# Altium PCB PCB22.PcbDoc (part 7 of 16)
Units mm, origin at the board's own origin, x right, y up, seen from the top; angles counter-clockwise.
Board outline 233.7 x 110.51 mm, 4 copper layers (Top Layer, Layer 1, Layer 2, Bottom Layer), stack 0.603 mm thick; 1249 components, 1355 nets, 4549 pads, 1315 vias.
Unrouted connection lines stored in the file: 1569.
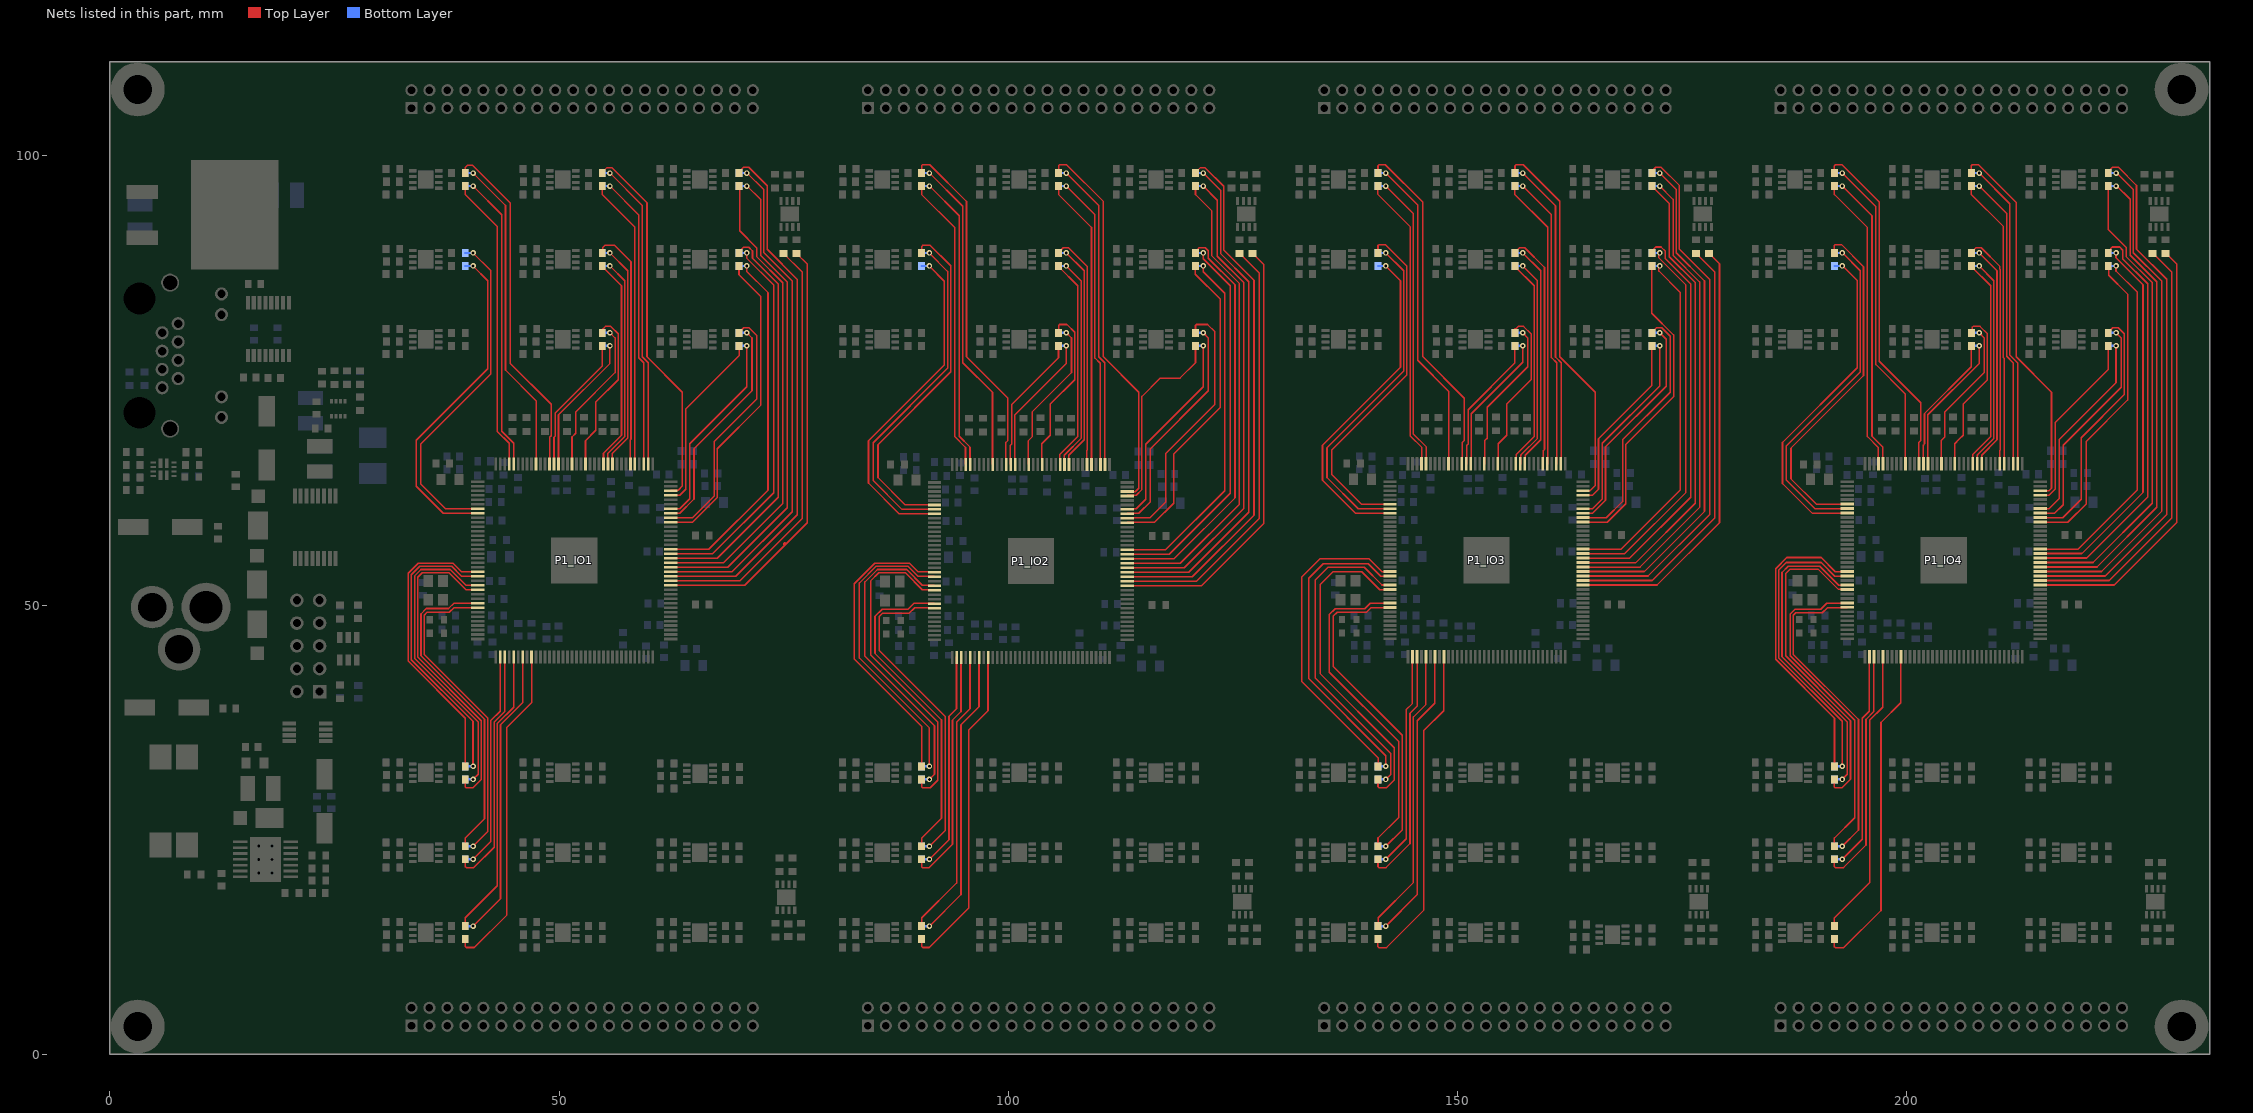
[diagram p9: the nets of this part, all layers, seen from the top]

## Via types
v1: diameter 0.61, hole 0.305, Top Layer to Bottom Layer, 1315 vias

## Nets (pads, with @x,y where several pads share a name; then routed paths per layer and width w, separated by ;. In a path a pad name is that pad's centre, name@x,y a point inside that pad or via, vN(x,y) a via of type N, cw(c..) or ccw(c..) an arc to the next point about the centre after c; other vN are vias at no path point) (continued)
GPIO_5_IO2: P1_IO2.6 R28_U_VoltageAmplifier32.1 | length 39.5
  Top Layer w0.178: R28_U_VoltageAmplifier32.1@90.378,89.143 90.378,89.967 90.482,90.072 91.289,90.072 93.591,87.769 93.591,75.975 85.487,67.87 85.487,64.215 88.539,61.163 P1_IO2.6@91.772,61.163
GPIO_5_IO3: P1_IO3.6 R28_U_VoltageAmplifier33.1 | length 39.6
  Top Layer w0.178: R28_U_VoltageAmplifier33.1@141.15,89.209 141.15,90.033 141.254,90.138 141.954,90.138 144.363,87.729 144.363,75.66 136.019,67.316 136.019,64.521 139.311,61.229 P1_IO3.6@142.544,61.229
GPIO_5_IO4: P1_IO4.6 R28_U_VoltageAmplifier34.1 | length 39.5
  Top Layer w0.178: R28_U_VoltageAmplifier34.1@191.95,89.209 191.95,90.033 192.054,90.138 192.729,90.138 195.188,87.678 195.188,75.561 187.118,67.49 187.118,64.055 189.919,61.255 P1_IO4.6@193.369,61.255
GPIO_6_IO1: P1_IO1.7 R26_U_VoltageAmplifier41.1 | length 38.2
  Top Layer w0.178: v1(40.414,89.209) 42.407,87.215 42.407,75.775 34.584,67.952 34.584,63.491 37.346,60.729 P1_IO1.7@40.944,60.729
  Bottom Layer w0.254: R26_U_VoltageAmplifier41.1@39.55,89.209 v1(40.414,89.209)
GPIO_6_IO2: P1_IO2.7 R26_U_VoltageAmplifier42.1 | length 38.5
  Top Layer w0.178: v1@91.242,89.143 93.235,87.149 93.235,76.372 84.955,68.092 84.955,63.882 88.174,60.663 P1_IO2.7@91.772,60.663
  Bottom Layer w0.254: R26_U_VoltageAmplifier42.1@90.35,89.209 v1(91.214,89.209)
GPIO_6_IO3: P1_IO3.7 R26_U_VoltageAmplifier43.1 | length 38.7
  Top Layer w0.178: v1(142.014,89.209) 144.007,87.215 144.007,76.065 135.472,67.529 135.472,64.203 138.946,60.729 P1_IO3.7@142.544,60.729
  Bottom Layer w0.254: R26_U_VoltageAmplifier43.1@141.15,89.209 v1(142.014,89.209)
GPIO_6_IO4: P1_IO4.7 R26_U_VoltageAmplifier44.1 | length 38.5
  Top Layer w0.178: v1@192.839,89.235 194.833,87.241 194.833,75.961 186.601,67.728 186.601,63.925 189.771,60.755 P1_IO4.7@193.369,60.755
  Bottom Layer w0.254: R26_U_VoltageAmplifier44.1@191.95,89.209 v1(192.814,89.209)
GPIO_7_IO1: P1_IO1.8 R28_U_VoltageAmplifier41.1 | length 37.4
  Top Layer w0.178: v1(40.414,87.762) 42.052,86.123 42.052,76.305 34.104,68.357 34.104,63.233 37.108,60.229 P1_IO1.8@40.944,60.229
  Bottom Layer w0.254: R28_U_VoltageAmplifier41.1@39.55,87.762 v1(40.414,87.762)
GPIO_7_IO2: P1_IO2.8 R28_U_VoltageAmplifier42.1 | length 37.9
  Top Layer w0.178: v1@91.242,87.696 92.88,86.057 92.88,76.74 84.438,68.298 84.438,63.59 87.865,60.163 P1_IO2.8@91.772,60.163
  Bottom Layer w0.254: R28_U_VoltageAmplifier42.1@90.35,87.762 v1(91.214,87.762)
GPIO_7_IO3: P1_IO3.8 R28_U_VoltageAmplifier43.1 | length 38.1
  Top Layer w0.178: v1(142.014,87.762) 143.652,86.123 143.652,76.5 134.97,67.818 134.97,63.896 138.637,60.229 P1_IO3.8@142.544,60.229
  Bottom Layer w0.254: R28_U_VoltageAmplifier43.1@141.15,87.762 v1(142.014,87.762)
GPIO_7_IO4: P1_IO4.8 R28_U_VoltageAmplifier44.1 | length 37.8
  Top Layer w0.178: v1@192.839,87.787 194.477,86.149 194.477,76.433 186.166,68.121 186.166,63.551 189.462,60.255 P1_IO4.8@193.369,60.255
  Bottom Layer w0.254: R28_U_VoltageAmplifier44.1@191.95,87.762 v1(192.814,87.762)
GPIO_8_IO1: P1_IO1.141 R26_U_VoltageAmplifier51.1 | length 33
  Top Layer w0.178: R26_U_VoltageAmplifier51.1@39.538,96.64 39.538,95.723 43.119,92.143 43.119,69.342 44.432,68.029 P1_IO1.141@44.432,65.717
  Top Layer w0.254: R26_U_VoltageAmplifier51.1@39.538,96.64 R26_U_VoltageAmplifier51.1@39.55,96.652
GPIO_8_IO2: P1_IO2.141 R26_U_VoltageAmplifier52.1 | length 33
  Top Layer w0.178: R26_U_VoltageAmplifier52.1@90.338,96.64 90.338,95.723 94.022,92.04 94.022,68.768 95.232,67.557 P1_IO2.141@95.232,65.717
  Top Layer w0.254: R26_U_VoltageAmplifier52.1@90.338,96.64 R26_U_VoltageAmplifier52.1@90.35,96.652
GPIO_8_IO3: P1_IO3.141 R26_U_VoltageAmplifier53.1 | length 32.9
  Top Layer w0.178: R26_U_VoltageAmplifier53.1@141.138,96.64 141.138,95.723 144.719,92.143 144.719,68.871 146.032,67.557 P1_IO3.141@146.032,65.717
GPIO_8_IO4: P1_IO4.141 R26_U_VoltageAmplifier54.1 | length 33
  Top Layer w0.178: R26_U_VoltageAmplifier54.1@191.95,96.652 191.95,95.712 195.618,92.044 195.618,68.772 196.832,67.557 P1_IO4.141@196.832,65.717
GPIO_9_IO1: P1_IO1.132 R28_U_VoltageAmplifier51.1 | length 38.5
  Top Layer w0.178: R28_U_VoltageAmplifier51.1@39.55,98.099 39.55,98.715 39.783,98.948 40.373,98.948 44.541,94.78 44.541,76.93 49.11,72.361 49.11,68.858 48.932,68.68 P1_IO1.132@48.932,65.717
GPIO_9_IO2: P1_IO2.132 R28_U_VoltageAmplifier52.1 | length 38.8
  Top Layer w0.178: R28_U_VoltageAmplifier52.1@90.35,98.099 90.35,98.923 90.454,99.028 91.243,99.028 95.341,94.93 95.341,77.644 99.95,73.035 99.95,68.845 99.95,68.329 99.732,68.111 P1_IO2.132@99.732,65.717
GPIO_9_IO3: P1_IO3.132 R28_U_VoltageAmplifier53.1 | length 38.7
  Top Layer w0.178: R28_U_VoltageAmplifier53.1@141.15,98.099 141.15,98.923 141.254,99.028 141.967,99.028 146.141,94.853 146.141,77.644 150.75,73.035 150.75,68.845 150.75,68.329 150.532,68.111 P1_IO3.132@150.532,65.717
GPIO_9_IO4: P1_IO4.132 R28_U_VoltageAmplifier54.1 | length 38.7
  Top Layer w0.178: R28_U_VoltageAmplifier54.1@191.95,98.099 191.95,98.923 192.054,99.028 192.788,99.028 196.941,94.874 196.941,77.14 201.55,72.53 201.55,68.845 201.55,68.329 201.332,68.111 P1_IO4.132@201.332,65.717
GPIO_10_IO1: P1_IO1.135 R26_U_VoltageAmplifier61.1 | length 36.2
  Top Layer w0.178: v1(40.414,98.099) 44.025,94.488 44.025,76.179 47.432,72.771 P1_IO1.135@47.432,65.717
  Bottom Layer w0.254: R26_U_VoltageAmplifier61.1@39.55,98.099 v1(40.414,98.099)
GPIO_10_IO2: P1_IO2.135 R26_U_VoltageAmplifier62.1 | length 36.2
  Top Layer w0.178: v1(91.214,98.099) 94.92,94.393 94.92,76.999 98.232,73.687 P1_IO2.135@98.232,65.717
  Bottom Layer w0.254: R26_U_VoltageAmplifier62.1@90.35,98.099 v1(91.214,98.099)
GPIO_10_IO3: P1_IO3.135 R26_U_VoltageAmplifier63.1 | length 36.2
  Top Layer w0.178: v1(142.014,98.099) 145.564,94.549 145.564,77.262 149.032,73.794 P1_IO3.135@149.032,65.717
  Bottom Layer w0.254: R26_U_VoltageAmplifier63.1@141.15,98.099 v1(142.014,98.099)
GPIO_10_IO4: P1_IO4.135 R26_U_VoltageAmplifier64.1 | length 36.2
  Top Layer w0.178: v1(192.814,98.099) 196.565,94.348 196.565,76.783 199.832,73.516 P1_IO4.135@199.832,65.717
  Bottom Layer w0.254: R26_U_VoltageAmplifier64.1@191.95,98.099 v1(192.814,98.099)
GPIO_11_IO1: P1_IO1.140 R28_U_VoltageAmplifier61.1 | length 33.7
  Top Layer w0.178: v1(40.414,96.652) 43.599,93.467 43.599,69.365 44.932,68.032 P1_IO1.140@44.932,65.717
  Bottom Layer w0.254: R28_U_VoltageAmplifier61.1@39.55,96.652 v1(40.414,96.652)
GPIO_11_IO2: P1_IO2.140 R28_U_VoltageAmplifier62.1 | length 33.7
  Top Layer w0.178: v1(91.214,96.652) 94.521,93.344 94.521,68.811 95.732,67.6 P1_IO2.140@95.732,65.717
  Bottom Layer w0.254: R28_U_VoltageAmplifier62.1@90.35,96.652 v1(91.214,96.652)
GPIO_11_IO3: P1_IO3.140 R28_U_VoltageAmplifier63.1 | length 33.7
  Top Layer w0.178: v1(142.014,96.652) 145.074,93.591 145.074,69.058 146.532,67.6 P1_IO3.140@146.532,65.717
  Bottom Layer w0.254: R28_U_VoltageAmplifier63.1@141.15,96.652 v1(142.014,96.652)
GPIO_11_IO4: P1_IO4.140 R28_U_VoltageAmplifier64.1 | length 33.7
  Top Layer w0.178: v1(192.814,96.652) 196.126,93.339 196.126,68.806 197.332,67.6 P1_IO4.140@197.332,65.717
  Bottom Layer w0.254: R28_U_VoltageAmplifier64.1@191.95,96.652 v1(192.814,96.652)
GPIO_12_IO1: P1_IO1.131 R26_U_VoltageAmplifier71.1 | length 15.4
  Top Layer w0.178: P1_IO1.131@49.432,65.717 49.432,68.677 49.576,68.822 49.576,71.397 54.778,76.599 R26_U_VoltageAmplifier71.1@54.778,78.86
GPIO_12_IO2: P1_IO2.131 R26_U_VoltageAmplifier72.1 | length 15.4
  Top Layer w0.178: P1_IO2.131@100.232,65.717 100.232,67.805 100.376,67.95 100.376,72.335 105.578,77.537 R26_U_VoltageAmplifier72.1@105.578,78.86
  Top Layer w0.254: R26_U_VoltageAmplifier72.1@105.578,78.86 R26_U_VoltageAmplifier72.1@105.59,78.872
GPIO_12_IO3: P1_IO3.131 R26_U_VoltageAmplifier73.1 | length 15.4
  Top Layer w0.178: P1_IO3.131@151.032,65.717 151.032,67.805 151.176,67.95 151.176,71.75 156.378,76.952 R26_U_VoltageAmplifier73.1@156.378,78.86
  Top Layer w0.254: R26_U_VoltageAmplifier73.1@156.378,78.86 R26_U_VoltageAmplifier73.1@156.39,78.872
GPIO_12_IO4: P1_IO4.131 R26_U_VoltageAmplifier74.1 | length 15.4
  Top Layer w0.178: P1_IO4.131@201.832,65.717 201.832,67.805 201.976,67.95 201.976,71.33 207.178,76.532 R26_U_VoltageAmplifier74.1@207.178,78.86
GPIO_13_IO1: P1_IO1.124 R28_U_VoltageAmplifier71.1 | length 18.2
  Top Layer w0.178: P1_IO1.124@52.932,65.717 52.932,68.317 54.088,69.473 54.088,72.615 56.581,75.107 56.581,80.201 55.751,81.031 55.164,81.031 R28_U_VoltageAmplifier71.1@54.854,80.721
GPIO_13_IO2: P1_IO2.124 R28_U_VoltageAmplifier72.1 | length 19.1
  Top Layer w0.178: P1_IO2.124@103.732,65.717 103.732,67.984 104.673,68.925 104.673,72.4 107.381,75.107 107.381,80.388 106.521,81.248 105.694,81.248 ; R28_U_VoltageAmplifier72.1@105.59,80.319 105.59,81.143 105.648,81.201
GPIO_13_IO3: P1_IO3.124 R28_U_VoltageAmplifier73.1 | length 18.6
  Top Layer w0.178: P1_IO3.124@154.532,65.717 154.532,67.984 155.473,68.925 155.473,72.4 158.181,75.107 158.181,80.201 157.351,81.031 156.764,81.031 R28_U_VoltageAmplifier73.1@156.454,80.721
  Top Layer w0.254: R28_U_VoltageAmplifier73.1@156.402,80.721 R28_U_VoltageAmplifier73.1@156.402,80.331 ; R28_U_VoltageAmplifier73.1@156.402,80.331 R28_U_VoltageAmplifier73.1@156.39,80.319 R28_U_VoltageAmplifier73.1@156.402,80.331
GPIO_13_IO4: P1_IO4.124 R28_U_VoltageAmplifier74.1 | length 22
  Top Layer w0.178: P1_IO4.124@205.332,65.717 205.332,67.984 205.88,68.532 206.273,68.925 206.273,72.4 208.981,75.107 208.981,80.201 208.151,81.031 207.383,81.031 207.279,80.926 207.279,80.509 R28_U_VoltageAmplifier74.1@207.042,80.509 ; P1_IO4.124@205.357,65.743 205.357,68.012 205.879,68.533
  Top Layer w0.254: R28_U_VoltageAmplifier74.1@207.042,80.509 207.042,80.467 R28_U_VoltageAmplifier74.1@207.19,80.319
GPIO_14_IO1: P1_IO1.127 R26_U_VoltageAmplifier81.1 | length 17.7
  Top Layer w0.178: P1_IO1.127@51.432,65.717 51.432,68.716 51.84,69.125 51.84,71.517 56.225,75.901 56.225,79.748 v1(55.654,80.319)
  Bottom Layer w0.254: R26_U_VoltageAmplifier81.1@54.79,80.319 v1(55.654,80.319)
GPIO_14_IO2: P1_IO2.127 R26_U_VoltageAmplifier82.1 | length 17.7
  Top Layer w0.178: P1_IO2.127@102.232,65.717 102.232,68.323 102.64,68.731 102.64,71.517 107.025,75.901 107.025,79.748 v1(106.454,80.319)
  Bottom Layer w0.254: R26_U_VoltageAmplifier82.1@105.59,80.319 v1(106.454,80.319)
GPIO_14_IO3: P1_IO3.127 R26_U_VoltageAmplifier83.1 | length 17.7
  Top Layer w0.178: P1_IO3.127@153.032,65.717 153.032,68.323 153.305,68.596 153.305,72.03 157.825,76.55 157.825,79.748 v1(157.254,80.319)
  Bottom Layer w0.254: R26_U_VoltageAmplifier83.1@156.39,80.319 v1(157.254,80.319)
GPIO_14_IO4: P1_IO4.127 R26_U_VoltageAmplifier84.1 | length 17.7
  Top Layer w0.178: P1_IO4.127@203.832,65.717 203.832,68.323 204.24,68.731 204.24,71.517 208.625,75.901 208.625,79.748 v1(208.054,80.319)
  Bottom Layer w0.254: R26_U_VoltageAmplifier84.1@207.19,80.319 v1(208.054,80.319)
GPIO_15_IO1: P1_IO1.130 R28_U_VoltageAmplifier81.1 | length 16.4
  Top Layer w0.178: P1_IO1.130@49.932,65.717 49.932,71.183 55.654,76.905 v1(55.654,78.872)
  Bottom Layer w0.254: R28_U_VoltageAmplifier81.1@54.79,78.872 v1(55.654,78.872)
GPIO_15_IO2: P1_IO2.130 R28_U_VoltageAmplifier82.1 | length 16.4
  Top Layer w0.178: P1_IO2.130@100.732,65.717 100.732,71.183 106.454,76.905 v1(106.454,78.872)
  Bottom Layer w0.254: R28_U_VoltageAmplifier82.1@105.59,78.872 v1(106.454,78.872)
GPIO_15_IO3: P1_IO3.130 R28_U_VoltageAmplifier83.1 | length 16.4
  Top Layer w0.178: P1_IO3.130@151.532,65.717 151.532,71.313 157.254,77.034 v1(157.254,78.872)
  Bottom Layer w0.254: R28_U_VoltageAmplifier83.1@156.39,78.872 v1(157.254,78.872)
GPIO_15_IO4: P1_IO4.130 R28_U_VoltageAmplifier84.1 | length 18.1
  Top Layer w0.178: P1_IO4.130@202.332,65.717 202.332,71.183 208.054,76.905 v1(208.054,78.872) 208.054,77.117
  Bottom Layer w0.254: R28_U_VoltageAmplifier84.1@207.19,78.872 v1(208.054,78.872)
GPIO_16_IO1: P1_IO1.120 R26_U_VoltageAmplifier91.1 | length 23.8
  Top Layer w0.178: R26_U_VoltageAmplifier91.1@54.79,87.762 54.79,87.698 56.936,85.552 56.936,68.912 54.932,66.908 P1_IO1.120@54.932,65.717
GPIO_16_IO2: P1_IO2.120 R26_U_VoltageAmplifier92.1 | length 23.8
  Top Layer w0.178: R26_U_VoltageAmplifier92.1@105.59,87.762 105.59,87.698 107.736,85.552 107.736,68.784 105.732,66.78 P1_IO2.120@105.732,65.717
  Top Layer w0.254: R26_U_VoltageAmplifier92.1@105.578,87.75 R26_U_VoltageAmplifier92.1@105.59,87.762
GPIO_16_IO3: P1_IO3.120 R26_U_VoltageAmplifier93.1 | length 23.8
  Top Layer w0.178: R26_U_VoltageAmplifier93.1@156.378,87.75 156.378,87.71 158.536,85.552 158.536,68.784 156.532,66.78 P1_IO3.120@156.532,65.717
GPIO_16_IO4: P1_IO4.120 R26_U_VoltageAmplifier94.1 | length 23.8
  Top Layer w0.178: R26_U_VoltageAmplifier94.1@207.178,87.75 207.178,87.71 209.336,85.552 209.336,68.784 207.332,66.78 P1_IO4.120@207.332,65.717
GPIO_17_IO1: P1_IO1.114 R28_U_VoltageAmplifier91.1 | length 27.2
  Top Layer w0.178: R28_U_VoltageAmplifier91.1@54.79,89.209 54.857,89.276 54.857,89.816 55.098,90.058 56.166,90.058 58.003,88.221 58.003,68.47 57.932,68.399 P1_IO1.114@57.932,65.717
GPIO_17_IO2: P1_IO2.114 R28_U_VoltageAmplifier92.1 | length 26.4
  Top Layer w0.178: R28_U_VoltageAmplifier92.1@105.59,89.209 105.59,89.273 106.098,89.781 106.69,89.781 108.803,87.668 108.803,67.265 108.732,67.194 P1_IO2.114@108.732,65.717
  Top Layer w0.254: R28_U_VoltageAmplifier92.1@105.59,89.209 R28_U_VoltageAmplifier92.1@105.602,89.221
GPIO_17_IO3: P1_IO3.114 R28_U_VoltageAmplifier93.1 | length 26.4
  Top Layer w0.178: R28_U_VoltageAmplifier93.1@156.39,89.273 156.898,89.781 157.49,89.781 159.676,87.595 159.676,67.338 159.532,67.194 P1_IO3.114@159.532,65.717
  Top Layer w0.254: R28_U_VoltageAmplifier93.1@156.39,89.209 R28_U_VoltageAmplifier93.1@156.402,89.221
GPIO_17_IO4: P1_IO4.114 R28_U_VoltageAmplifier94.1 | length 26.4
  Top Layer w0.178: R28_U_VoltageAmplifier94.1@207.19,89.209 207.19,89.273 207.698,89.781 208.29,89.781 210.372,87.699 210.372,87.394 210.403,87.363 210.403,67.265 210.332,67.194 P1_IO4.114@210.332,65.717
  Top Layer w0.254: R28_U_VoltageAmplifier94.1@207.19,89.209 207.202,89.221 R28_U_VoltageAmplifier94.1@207.19,89.209
GPIO_18_IO1: P1_IO1.118 R26_U_VoltageAmplifier101.1 | length 25.9
  Top Layer w0.178: v1(55.654,89.209) 57.647,87.215 57.647,68.617 55.932,66.902 P1_IO1.118@55.932,65.717
  Bottom Layer w0.254: R26_U_VoltageAmplifier101.1@54.79,89.209 v1(55.654,89.209)
GPIO_18_IO2: P1_IO2.118 R26_U_VoltageAmplifier102.1 | length 25.9
  Top Layer w0.178: v1(106.454,89.209) 108.447,87.215 108.447,68.418 106.732,66.702 P1_IO2.118@106.732,65.717
  Bottom Layer w0.254: R26_U_VoltageAmplifier102.1@105.59,89.209 v1(106.454,89.209)
GPIO_18_IO3: P1_IO3.118 R26_U_VoltageAmplifier103.1 | length 25.9
  Top Layer w0.178: v1(157.254,89.209) 159.247,87.215 159.247,68.418 157.532,66.702 P1_IO3.118@157.532,65.717
  Bottom Layer w0.254: R26_U_VoltageAmplifier103.1@156.39,89.209 v1(157.254,89.209)
GPIO_18_IO4: P1_IO4.118 R26_U_VoltageAmplifier104.1 | length 25.9
  Top Layer w0.178: v1(208.054,89.209) 210.047,87.215 210.047,68.418 208.332,66.702 P1_IO4.118@208.332,65.717
  Bottom Layer w0.254: R26_U_VoltageAmplifier104.1@207.19,89.209 v1(208.054,89.209)
GPIO_19_IO1: P1_IO1.119 R28_U_VoltageAmplifier101.1 | length 24.4
  Top Layer w0.178: P1_IO1.119@55.432,65.717 55.432,66.905 57.292,68.765 57.292,86.123 v1(55.654,87.762)
  Bottom Layer w0.254: R28_U_VoltageAmplifier101.1@54.79,87.762 v1(55.654,87.762)
GPIO_19_IO2: P1_IO2.119 R28_U_VoltageAmplifier102.1 | length 24.4
  Top Layer w0.178: P1_IO2.119@106.232,65.717 106.232,66.705 106.376,66.85 108.092,68.565 108.092,86.123 v1(106.454,87.762)
  Bottom Layer w0.254: R28_U_VoltageAmplifier102.1@105.59,87.762 v1(106.454,87.762)
GPIO_19_IO3: P1_IO3.119 R28_U_VoltageAmplifier103.1 | length 24.4
  Top Layer w0.178: P1_IO3.119@157.032,65.717 157.032,66.705 157.176,66.85 158.892,68.565 158.892,86.123 v1(157.254,87.762)
  Bottom Layer w0.254: R28_U_VoltageAmplifier103.1@156.39,87.762 v1(157.254,87.762)
GPIO_19_IO4: P1_IO4.119 R28_U_VoltageAmplifier104.1 | length 24.4
  Top Layer w0.178: P1_IO4.119@207.832,65.717 207.832,66.705 207.976,66.85 209.692,68.565 209.692,86.123 v1(208.054,87.762)
  Bottom Layer w0.254: R28_U_VoltageAmplifier104.1@207.19,87.762 v1(208.054,87.762)
GPIO_20_IO1: P1_IO1.113 R26_U_VoltageAmplifier111.1 | length 32.5
  Top Layer w0.178: R26_U_VoltageAmplifier111.1@54.778,96.64 54.79,96.628 54.79,95.712 58.432,92.07 58.432,77.485 P1_IO1.113@58.432,65.717
  Top Layer w0.254: R26_U_VoltageAmplifier111.1@54.778,96.64 R26_U_VoltageAmplifier111.1@54.79,96.652
GPIO_20_IO2: P1_IO2.113 R26_U_VoltageAmplifier112.1 | length 32.5
  Top Layer w0.178: R26_U_VoltageAmplifier112.1@105.59,96.628 105.59,95.712 109.26,92.042 P1_IO2.113@109.26,65.651
GPIO_20_IO3: P1_IO3.113 R26_U_VoltageAmplifier113.1 | length 32.4
  Top Layer w0.178: R26_U_VoltageAmplifier113.1@156.378,96.64 156.378,95.723 160.032,92.07 P1_IO3.113@160.032,65.717
GPIO_20_IO4: P1_IO4.113 R26_U_VoltageAmplifier114.1 | length 32.4
  Top Layer w0.178: R26_U_VoltageAmplifier114.1@207.178,96.64 207.178,95.723 210.759,92.143 210.759,77.558 210.832,77.485 P1_IO4.113@210.832,65.717
GPIO_21_IO1: P1_IO1.106 R28_U_VoltageAmplifier111.1 | length 41.6
  Top Layer w0.178: R28_U_VoltageAmplifier111.1@54.79,98.099 54.79,98.163 54.802,98.175 55.334,98.706 55.855,98.706 59.781,94.78 59.781,77.644 63.712,73.713 63.712,63.257 63.246,62.79 62.481,62.79 P1_IO1.106@62.42,62.729
  Top Layer w0.254: R28_U_VoltageAmplifier111.1@54.79,98.099 54.802,98.111 R28_U_VoltageAmplifier111.1@54.802,98.175
GPIO_21_IO2: P1_IO2.106 R28_U_VoltageAmplifier112.1 | length 42.5
  Top Layer w0.178: R28_U_VoltageAmplifier112.1@105.59,98.099 105.59,98.923 105.694,99.028 106.483,99.028 110.581,94.93 110.581,77.644 114.512,73.713 114.512,63.02 114.135,62.643 113.269,62.643 P1_IO2.106@113.248,62.663
GPIO_21_IO3: P1_IO3.106 R28_U_VoltageAmplifier113.1 | length 42.4
  Top Layer w0.178: R28_U_VoltageAmplifier113.1@156.39,98.099 156.39,98.923 156.494,99.028 157.304,99.028 161.381,94.95 161.381,77.644 165.312,73.713 165.312,63.329 164.734,62.751 P1_IO3.106@163.969,62.751
GPIO_21_IO4: P1_IO4.106 R28_U_VoltageAmplifier114.1 | length 42.4
  Top Layer w0.178: R28_U_VoltageAmplifier114.1@207.19,98.099 207.19,98.923 207.294,99.028 207.985,99.028 212.181,94.832 212.181,77.644 216.112,73.713 216.112,63.02 215.85,62.757 214.848,62.757 P1_IO4.106@214.845,62.755
GPIO_22_IO1: P1_IO1.110 R26_U_VoltageAmplifier121.1 | length 35
  Top Layer w0.178: v1(55.654,98.099) 59.262,94.491 59.262,77.661 59.932,76.99 P1_IO1.110@59.932,65.717
  Bottom Layer w0.254: R26_U_VoltageAmplifier121.1@54.79,98.099 v1(55.654,98.099)
GPIO_22_IO2: P1_IO2.110 R26_U_VoltageAmplifier122.1 | length 35
  Top Layer w0.178: v1(106.454,98.099) 110.062,94.491 110.062,77.661 110.732,76.99 P1_IO2.110@110.732,65.717
  Bottom Layer w0.254: R26_U_VoltageAmplifier122.1@105.59,98.099 v1(106.454,98.099)
GPIO_22_IO3: P1_IO3.110 R26_U_VoltageAmplifier123.1 | length 35
  Top Layer w0.178: v1(157.254,98.099) 160.904,94.449 160.904,77.619 161.532,76.99 P1_IO3.110@161.532,65.717
  Bottom Layer w0.254: R26_U_VoltageAmplifier123.1@156.39,98.099 v1(157.254,98.099)
GPIO_22_IO4: P1_IO4.110 R26_U_VoltageAmplifier124.1 | length 35
  Top Layer w0.178: v1(208.054,98.099) 211.47,94.683 211.47,77.853 212.332,76.99 P1_IO4.110@212.332,65.717
  Bottom Layer w0.254: R26_U_VoltageAmplifier124.1@207.19,98.099 v1(208.054,98.099)
GPIO_23_IO1: P1_IO1.111 R28_U_VoltageAmplifier121.1 | length 33.4
  Top Layer w0.178: v1(55.654,96.652) 58.868,93.438 58.868,77.552 59.432,76.988 P1_IO1.111@59.432,65.717
  Bottom Layer w0.254: R28_U_VoltageAmplifier121.1@54.79,96.652 v1(55.654,96.652)
GPIO_23_IO2: P1_IO2.111 R28_U_VoltageAmplifier122.1 | length 33.4
  Top Layer w0.178: v1(106.454,96.652) 109.639,93.466 109.639,77.513 110.232,76.92 P1_IO2.111@110.232,65.717
  Bottom Layer w0.254: R28_U_VoltageAmplifier122.1@105.59,96.652 v1(106.454,96.652)
GPIO_23_IO3: P1_IO3.111 R28_U_VoltageAmplifier123.1 | length 33.4
  Top Layer w0.178: v1(157.254,96.652) 160.447,93.458 160.447,77.572 161.032,76.988 P1_IO3.111@161.032,65.717
  Bottom Layer w0.254: R28_U_VoltageAmplifier123.1@156.39,96.652 v1(157.254,96.652)
GPIO_23_IO4: P1_IO4.111 R28_U_VoltageAmplifier124.1 | length 33.4
  Top Layer w0.178: v1(208.054,96.652) 211.114,93.591 211.114,77.705 211.832,76.988 P1_IO4.111@211.832,65.717
  Bottom Layer w0.254: R28_U_VoltageAmplifier124.1@207.19,96.652 v1(208.054,96.652)
GPIO_24_IO1: P1_IO1.105 R26_U_VoltageAmplifier131.1 | length 20.4
  Top Layer w0.178: P1_IO1.105@62.42,62.229 63.424,62.229 64.098,62.903 64.098,71.828 70.03,77.76 R26_U_VoltageAmplifier131.1@70.03,78.872
GPIO_24_IO2: P1_IO2.105 R26_U_VoltageAmplifier132.1 | length 21.7
  Top Layer w0.178: P1_IO2.105@113.22,62.229 114.224,62.229 114.87,62.875 114.87,73.233 116.918,75.28 119.112,75.28 120.83,76.998 R26_U_VoltageAmplifier132.1@120.83,78.872
GPIO_24_IO3: P1_IO3.105 R26_U_VoltageAmplifier133.1 | length 20.4
  Top Layer w0.178: P1_IO3.105@164.02,62.229 165.024,62.229 165.689,62.894 165.689,68.517 171.618,74.446 R26_U_VoltageAmplifier133.1@171.618,78.86
GPIO_24_IO4: P1_IO4.105 R26_U_VoltageAmplifier134.1 | length 20.4
  Top Layer w0.178: P1_IO4.105@214.82,62.229 215.824,62.229 216.54,62.945 216.54,70.346 221.474,75.28 222.43,76.236 R26_U_VoltageAmplifier134.1@222.43,78.872
GPIO_25_IO1: P1_IO1.100 R28_U_VoltageAmplifier131.1 | length 28.3
  Top Layer w0.178: P1_IO1.100@62.42,59.729 64.842,59.729 67.243,62.13 67.243,68.195 71.992,72.944 71.992,80.029 71.13,80.891 70.538,80.891 70.03,80.383 R28_U_VoltageAmplifier131.1@70.03,80.319